# Altium PCB DM3390.PcbDoc (part 5 of 5)
Units mm, origin at the board's own origin, x right, y up, seen from the top; angles counter-clockwise.
Board outline 50.5 x 70 mm, 6 copper layers (Top Copper, Layer 1, Layer 2, Layer 3, Layer 4, Bottom Layer), stack 1.578 mm thick; 186 components, 176 nets, 1100 pads, 824 vias.
Unrouted connection lines stored in the file: 287.
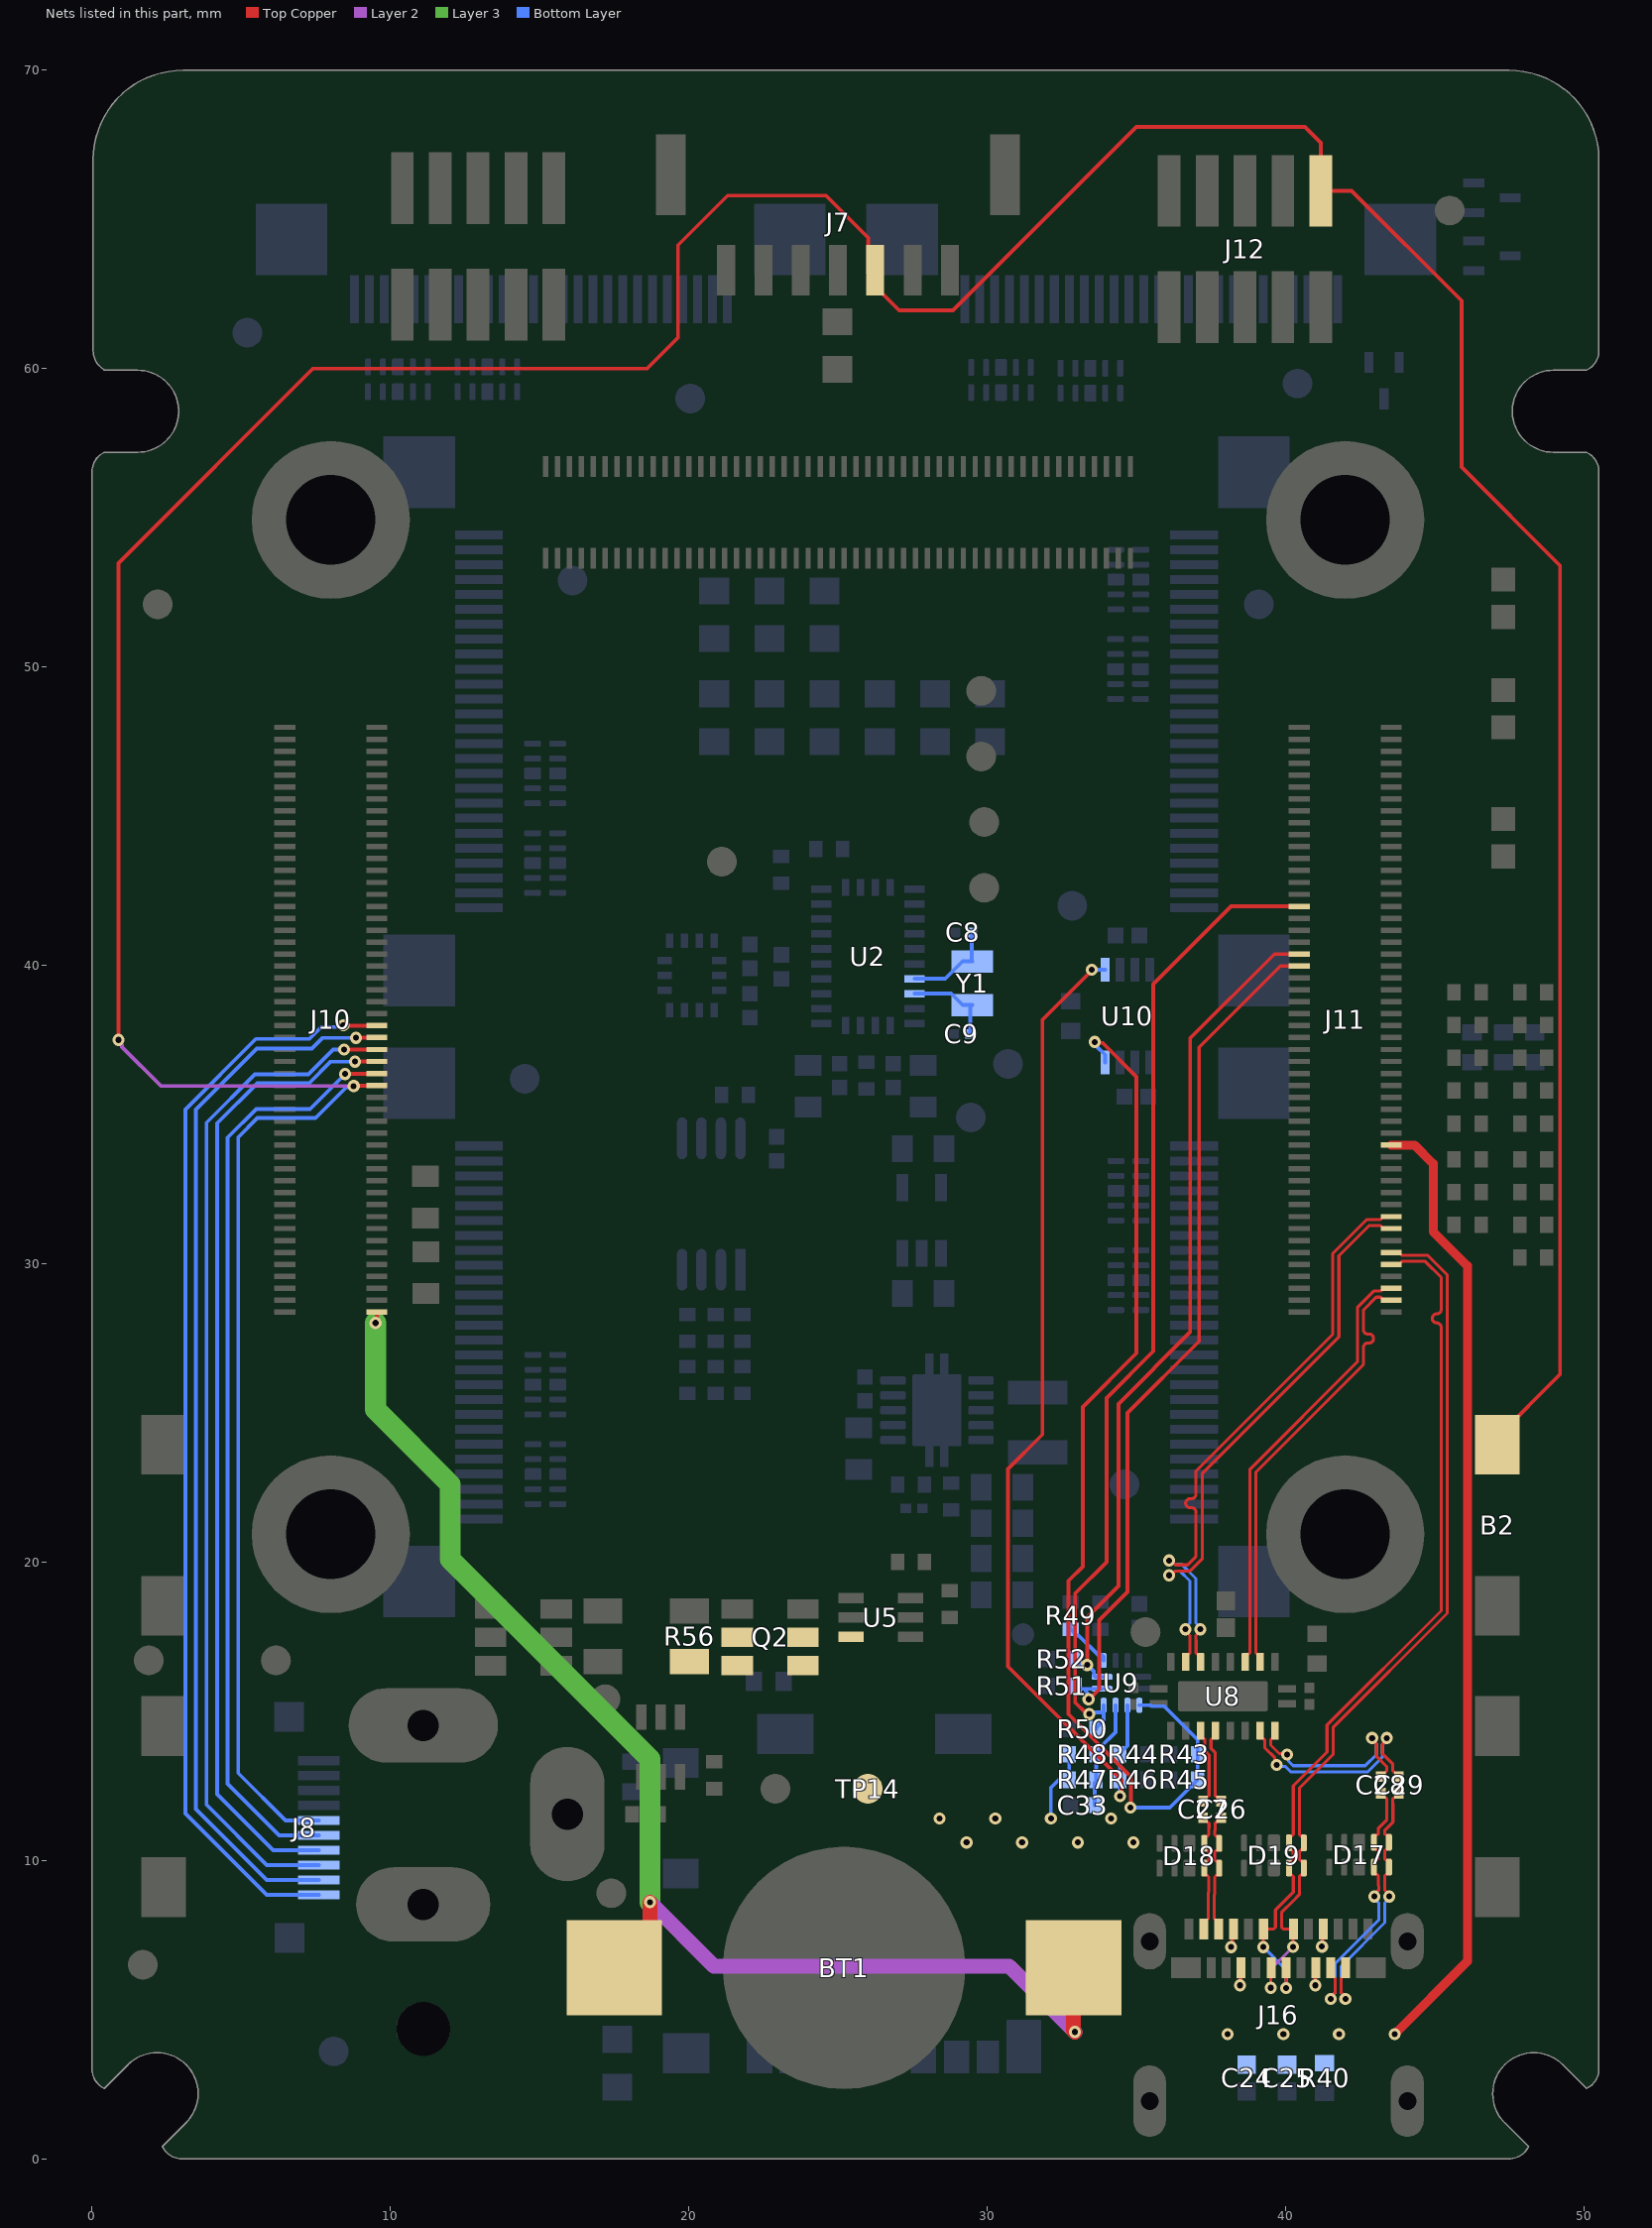
[diagram p9: the nets of this part, all layers, seen from the top]

## Via types
v1: diameter 0.406, hole 0.203, Top Copper to Bottom Layer, tented both sides, 794 vias
v2: diameter 0.406, hole 0.203, Top Copper to Bottom Layer, 30 vias

## Nets (pads, with @x,y where several pads share a name; then routed paths per layer and width w, separated by ;. In a path a pad name is that pad's centre, name@x,y a point inside that pad or via, vN(x,y) a via of type N, cw(c..) or ccw(c..) an arc to the next point about the centre after c; other vN are vias at no path point) (continued)
SYS_nRST: B2.2 J7.3 J8.6 J10.40 J12.1 | length 156.1
  Top Copper w0.127: v1(0.883,37.5) 0.883,53.483 7.4,60 18.6,60 19.638,61.038 19.638,64.138 21.3,65.8 24.6,65.8 26.014,64.387 26.014,63.536 J7.3@26.25,63.3 ; v1(8.767,35.953) 8.779,35.966 9.528,35.966 J10.40@9.54,35.978 ; J7.3@26.25,63.95 J7.3@26.25,63.3 ; B2.2@47.1,23.937 47.1,24.187 49.2,26.287 49.2,53.4 45.9,56.7 45.9,62.275 42.216,65.959 J12.1@41.182,65.959 41.182,67.568 40.65,68.1 35,68.1 28.85,61.95 27.05,61.95 26.25,62.75 J7.3@26.25,63.3
  Layer 2 w0.127: v1(0.883,37.5) 0.883,37.424 1,37.308 1,37.264 2.311,35.953 v1(8.767,35.953)
  Bottom Layer w0.127: J8.6@7.594,11.341 6.48,11.341 4.896,12.925 4.896,34.237 5.541,34.881 7.488,34.881 8.513,35.905 8.719,35.905 v1(8.767,35.953)
TCK: J8.2 J10.48 | length 35.6
  Top Copper w0.127: v1(8.84,37.57) 8.844,37.574 9.536,37.574 J10.48@9.54,37.578
  Bottom Layer w0.127: J8.2@7.594,9.341 5.858,9.341 3.482,11.718 3.482,35.169 5.526,37.212 7.368,37.212 7.726,37.57 v1(8.84,37.57)
TDI: J8.3 J10.46 | length 34.2
  Top Copper w0.127: v1(8.449,37.179) J10.46@9.539,37.178
  Bottom Layer w0.127: J8.3@7.594,9.841 5.858,9.841 3.836,11.864 3.836,34.724 5.458,36.346 7.246,36.346 8.079,37.179 v1(8.449,37.179)
TDO: J8.5 J10.42 | length 31.3
  Top Copper w0.127: v1(8.479,36.357) 8.49,36.367 9.529,36.367 J10.42@9.54,36.378
  Bottom Layer w0.127: J8.5@7.594,10.841 6.273,10.841 4.543,12.571 4.543,34.226 5.502,35.184 7.307,35.184 v1(8.479,36.357)
TMS: J8.1 J10.50 | length 36.8
  Top Copper w0.127: v1(8.418,37.987) 8.428,37.978 J10.50@9.54,37.978
  Bottom Layer w0.127: J8.1@7.594,8.841 5.858,8.841 3.129,11.571 3.129,35.171 5.493,37.535 7.277,37.535 7.676,37.934 8.364,37.934 v1(8.418,37.987)
TRST: J8.4 J10.44 | length 32.9
  Top Copper w0.127: v1(8.814,36.772) 8.817,36.775 9.537,36.775 J10.44@9.54,36.778
  Bottom Layer w0.127: J8.4@7.594,10.341 6.066,10.341 4.189,12.218 4.189,34.708 5.532,36.051 7.274,36.051 7.995,36.772 v1(8.814,36.772)
TXB1_N: C26.2 U8.15 | length 2.6
  Top Copper w0.102: U8.15@37.65,14.35 37.65,14.175 37.576,14.101 37.561,14.101 37.502,14.041 37.502,13.754 37.638,13.617 37.638,12.176 37.698,12.117 37.733,12.117 37.842,12.007 C26.2@37.842,11.987
TXB1_P: C27.2 U8.14 | length 2.6
  Top Copper w0.102: U8.14@37.15,14.35 37.15,14.175 37.224,14.101 37.239,14.101 37.298,14.041 37.298,13.67 37.435,13.533 37.435,12.176 37.376,12.117 37.341,12.117 37.231,12.007 C27.2@37.231,11.987
TXB_N: C26.1 D18.5 D18.6 J16.A3 | length 4.2
  Top Copper w0.102: J16.A3@37.762,7.699 37.762,7.899 37.614,8.048 37.614,8.842 37.627,8.855 37.627,9.444 37.687,9.503 37.726,9.503 37.775,9.552 D18.5@37.775,9.735 37.775,9.917 37.726,9.967 37.687,9.967 37.627,10.026 37.627,10.279 37.687,10.338 37.726,10.338 37.775,10.387 D18.6@37.775,10.57 37.775,10.752 37.726,10.802 37.687,10.802 37.627,10.861 37.627,10.999 37.638,11.011 37.638,11.239 37.698,11.298 37.733,11.298 C26.1@37.842,11.407
TXB_P: C27.1 D18.4 D18.7 J16.A2 | length 4.2
  Top Copper w0.102: C27.1@37.231,11.427 37.231,11.407 37.341,11.298 37.376,11.298 37.435,11.239 37.435,11.095 37.424,11.084 37.424,10.861 37.364,10.802 37.325,10.802 37.275,10.752 D18.7@37.275,10.57 37.275,10.387 37.325,10.338 37.364,10.338 37.424,10.279 37.424,10.026 37.364,9.967 37.325,9.967 37.275,9.917 D18.4@37.275,9.735 37.275,9.552 37.325,9.503 37.364,9.503 37.424,9.444 37.424,8.939 37.411,8.926 37.411,8.048 37.262,7.899 J16.A2@37.262,7.699
TXC1_N: C28.2 U8.19 | length 6.9
  Top Copper w0.102: U8.19@39.65,14.35 39.65,14.175 39.576,14.101 39.561,14.101 39.502,14.041 39.502,13.864 39.783,13.583 40.017,13.583 v1(40.05,13.55) ; v1(42.9,14.1) 42.9,14.034 43.046,13.888 43.046,13.487 43.391,13.142 43.391,12.998 43.332,12.939 43.302,12.939 43.193,12.83 C28.2@43.193,12.81
  Bottom Layer w0.102: v1(40.05,13.55) 40.108,13.492 40.108,13.317 40.252,13.173 42.673,13.173 43.046,13.546 43.046,13.888 42.9,14.034 v1(42.9,14.1)
TXC1_P: C29.2 U8.18 | length 7.5
  Top Copper w0.102: U8.18@39.15,14.35 39.15,14.175 39.224,14.101 39.239,14.101 39.298,14.041 39.298,13.78 39.641,13.437 39.641,13.258 v1(39.7,13.2) ; v1(43.395,14.1) 43.395,14.034 43.249,13.888 43.249,13.572 43.595,13.226 43.595,12.998 43.654,12.939 43.684,12.939 43.793,12.83 C29.2@43.793,12.81
  Bottom Layer w0.102: v1(39.7,13.2) 39.746,13.153 39.985,13.153 40.168,12.97 42.757,12.97 43.249,13.462 43.249,13.888 43.395,14.034 v1(43.395,14.1)
TXC_N: C28.1 D17.4 D17.7 J16.B3 | length 9.2
  Top Copper w0.102: v1(41.512,5.354) 41.512,5.42 41.658,5.566 41.658,5.795 41.661,5.798 41.661,6.051 41.512,6.199 J16.B3@41.512,6.399 ; D17.4@42.967,9.77 42.967,9.588 43.016,9.539 43.055,9.539 43.115,9.479 43.115,9.154 43.122,9.147 43.122,9 42.976,8.854 v1(42.976,8.788) ; D17.4@42.967,9.953 43.016,10.002 43.055,10.002 43.115,10.061 43.115,10.314 43.055,10.374 43.016,10.374 42.967,10.423 D17.7@42.967,10.605 42.967,10.788 43.016,10.837 43.055,10.837 43.115,10.896 43.115,11.084 43.397,11.366 43.397,11.796 43.391,11.802 43.391,12.061 43.332,12.12 43.302,12.12 43.193,12.23 C28.1@43.193,12.25
  Bottom Layer w0.102: v1(41.512,5.354) 41.512,5.42 41.658,5.566 41.658,6.532 43.122,7.996 43.122,8.576 42.976,8.722 v1(42.976,8.788)
TXC_P: C29.1 D17.5 D17.6 J16.B2 | length 9.2
  Top Copper w0.102: v1(42.007,5.354) 42.007,5.42 41.861,5.566 41.861,5.711 41.864,5.714 41.864,6.051 42.012,6.199 J16.B2@42.012,6.399 ; D17.5@43.467,9.77 43.467,9.588 43.417,9.539 43.378,9.539 43.318,9.479 43.318,9.35 43.326,9.342 43.326,9 43.472,8.854 v1(43.472,8.788) ; D17.5@43.467,9.953 43.417,10.002 43.378,10.002 43.318,10.061 43.318,10.314 43.378,10.374 43.417,10.374 43.467,10.423 D17.6@43.467,10.605 43.467,10.788 43.417,10.837 43.378,10.837 43.318,10.896 43.318,11 43.6,11.282 43.6,11.898 43.595,11.903 43.595,12.061 43.654,12.12 43.684,12.12 43.793,12.23 C29.1@43.793,12.25
  Bottom Layer w0.102: v1(42.007,5.354) 42.007,5.42 41.861,5.566 41.861,6.447 43.326,7.912 43.326,8.576 43.472,8.722 v1(43.472,8.788)
USB_CM: R43.1 R45.1 U9.3 U10.8 | length 35.4
  Top Copper w0.127: v1(33.6,37.432) 33.633,37.399 33.87,37.399 35,36.269 35,27 33.2,25.2 33.2,19.849 32.721,19.37 32.721,14.901 34.818,12.804 34.818,11.793 v1(34.797,11.772)
  Bottom Layer w0.127: v1(33.6,37.432) 33.653,37.378 33.653,37.297 33.95,37 U10.8@33.95,36.75 ; v1(34.797,11.772) 36.122,11.772 R45.1@37.05,12.7 R43.1@37.05,13.55 37.05,14.05 35.932,15.168 35.512,15.168 35.48,15.2 U9.3@35.1,15.2
USB_D_N: D19.1 D19.10 J11.12 J16.A7 J16.B7 | length 30.1
  Top Copper w0.102: v1(39.5,5.729) 39.506,5.735 39.506,6.393 J16.B7@39.512,6.399 ; v1(40.248,7.101) 40.255,7.108 40.255,7.692 J16.A7@40.262,7.699 39.923,7.699 39.864,7.759 39.864,8.098 39.864,8.252 40.25,8.638 40.463,8.851 40.463,9.455 40.522,9.515 40.562,9.515 40.611,9.564 D19.10@40.611,9.747 40.611,9.929 40.562,9.978 40.522,9.978 40.463,10.038 40.463,10.29 40.522,10.35 40.562,10.35 40.611,10.399 D19.1@40.611,10.582 40.611,10.764 40.562,10.813 40.522,10.813 40.463,10.873 40.463,12.417 41.593,13.547 41.593,14.456 45.421,18.283 45.421,29.624 44.765,30.279 43.898,30.279 43.8,30.377 J11.12@43.54,30.377
  Layer 2 w0.102: v1(39.5,5.729) 39.5,6.352 v1(40.248,7.101)
USB_D_P: D19.2 D19.9 J11.10 J16.A6 J16.B6 | length 30.1
  Top Copper w0.102: v1(39.258,7.094) 39.26,7.096 39.26,7.697 J16.A6@39.262,7.699 39.601,7.699 39.661,7.759 39.661,8.014 39.661,8.336 40.26,8.935 40.26,9.455 40.2,9.515 40.161,9.515 40.111,9.564 D19.9@40.111,9.747 40.111,9.929 40.161,9.978 40.2,9.978 40.26,10.038 40.26,10.29 40.2,10.35 40.161,10.35 40.111,10.399 D19.2@40.111,10.582 40.111,10.764 40.161,10.813 40.2,10.813 40.26,10.873 40.26,12.501 41.39,13.632 41.39,14.54 45.218,18.368 45.218,27.813 45.218,27.864 ccw(c45.067,27.864) 45.067,28.015 cw(c45.067,28.165) 45.067,28.316 ccw(c45.067,28.467) 45.218,28.467 45.218,28.937 45.218,29.54 44.681,30.076 43.898,30.076 43.8,29.977 J11.10@43.54,29.977 ; J16.B6@40.012,6.399 40.017,6.395 40.017,5.723 v1(40.021,5.719)
  Bottom Layer w0.102: v1(39.258,7.094) 40.021,6.331 v1(40.021,5.719)
USB_ID: R49.1 U9.9 | length 1.7
  Bottom Layer w0.127: R49.1@32.8,17.8 R49.1@32.8,17.75 33.011,17.538 33.062,17.538 33.732,16.868 33.863,16.868 33.9,16.832 U9.9@33.9,16.7
USB_OUT1: J11.59 R51.1 U9.7 | length 29.2
  Top Copper w0.127: v1(33.4,15.4) 33.416,15.4 33.75,15.734 33.75,18.05 34.7,19 34.7,25 37.1,27.4 37.1,37.25 39.827,39.977 J11.59@40.46,39.977
  Bottom Layer w0.127: R51.1@32.95,15.85 33.05,15.75 33.311,15.75 ; v1(33.4,15.4) 33.347,15.453 33.347,15.631 33.309,15.668 33.309,15.749 33.311,15.75 ; U9.7@33.85,15.75 33.311,15.75
USB_OUT2: J11.61 R52.1 U9.8 | length 28.4
  Top Copper w0.127: v1(33.35,16.55) 33.35,18.15 34.4,19.2 34.4,25.3 36.8,27.7 36.8,37.55 39.627,40.377 J11.61@40.46,40.377
  Bottom Layer w0.127: R52.1@32.95,16.75 v1@33.25,16.45 ; v1(33.35,16.55) 33.582,16.318 33.582,16.186 33.618,16.15 U9.8@33.85,16.15
USB_PORT: R44.1 R46.1 U9.4 U10.1 | length 34
  Top Copper w0.127: v1(33.5,39.85) 33.5,39.829 31.85,38.179 31.85,24.274 30.7,23.124 30.7,16.499 34.5,12.699 34.5,12.2 v1(34.45,12.15)
  Bottom Layer w0.127: v1(33.5,39.85) U10.1@33.95,39.85 ; v1(34.45,12.15) R46.1@34.45,12.7 R44.1@34.45,13.55 ; R44.1@34.45,13.6 34.611,13.761 34.626,13.761 34.7,13.836 U9.4@34.7,15.2
USB_RX_N: J11.18 U8.7 | length 20.2
  Top Copper w0.102: v1(36.1,20.05) 36.166,20.05 36.312,19.904 36.717,19.904 37,20.187 37,21.619 37,21.669 ccw(c36.849,21.669) 36.849,21.82 36.802,21.82 cw(c36.802,21.971) 36.802,22.122 36.849,22.122 ccw(c36.849,22.273) 37,22.273 37,22.762 37,23.05 41.586,27.636 41.586,30.349 42.716,31.479 43.181,31.479 43.28,31.577 J11.18@43.54,31.577 ; v1(37.143,17.746) 37.143,17.68 36.997,17.534 36.997,17.389 37.002,17.385 37.002,16.959 37.061,16.899 37.076,16.899 37.15,16.825 U8.7@37.15,16.65
  Bottom Layer w0.102: v1(36.1,20.05) 36.166,20.05 36.312,19.904 36.54,19.904 36.997,19.447 36.997,17.958 37.143,17.812 v1(37.143,17.746)
USB_RX_P: J11.16 U8.8 | length 19.4
  Top Copper w0.102: v1(36.1,19.555) 36.166,19.555 36.312,19.701 36.801,19.701 37.203,20.103 37.203,22.966 41.789,27.551 41.789,30.265 42.8,31.276 43.181,31.276 43.28,31.177 J11.16@43.54,31.177 ; v1(36.648,17.746) 36.648,17.68 36.794,17.534 36.794,17.107 36.798,17.102 36.798,16.959 36.739,16.899 36.724,16.899 36.65,16.825 U8.8@36.65,16.65
  Bottom Layer w0.102: v1(36.1,19.555) 36.166,19.555 36.312,19.701 36.456,19.701 36.794,19.362 36.794,17.958 36.648,17.812 v1(36.648,17.746)
USB_TX_N: J11.4 U8.3 | length 14.9
  Top Copper w0.102: U8.3@39.15,16.65 39.15,16.825 39.076,16.899 39.061,16.899 39.002,16.959 39.002,23.014 42.609,26.621 42.609,26.837 42.609,27.189 cw(c42.759,27.189) 42.759,27.34 42.8,27.34 ccw(c42.8,27.491) 42.8,27.641 42.759,27.641 cw(c42.759,27.792) 42.609,27.792 42.609,28.194 42.609,28.447 43.037,28.876 43.181,28.876 43.28,28.777 J11.4@43.54,28.777
USB_TX_P: J11.6 U8.4 | length 14.8
  Top Copper w0.102: U8.4@38.65,16.65 38.65,16.825 38.724,16.899 38.739,16.899 38.798,16.959 38.798,23.098 42.405,26.705 42.405,28.531 42.953,29.079 43.181,29.079 43.28,29.177 J11.6@43.54,29.177
VBAT: BT1.1 BT1.3 J10.2 | length 44.5
  Top Copper w0.127: v1(9.5,28.014) 9.54,28.054 J10.2@9.54,28.378
  Top Copper w0.5: BT1.1@17.505,6.4 18.7,7.595 v1(18.7,8.6) ; BT1.3@32.895,6.4 32.895,4.294 v1(32.941,4.248)
  Layer 2 w0.5: v1(18.7,8.6) 20.845,6.455 30.734,6.455 v1(32.941,4.248)
  Layer 3 w0.7: v1(9.5,28.014) 9.5,25.107 12,22.607 12,20.1 18.7,13.4 v1(18.7,8.6)
VBUS: C24.2 C25.2 J11.30 J16.A4 J16.A9 J16.B4 J16.B9 Q2.1 Q2.2 Q2.5 Q2.6 R40.2 R47.1 R48.1 R56.1 TP14.1 U5.6 | length 37.2
  Top Copper w0.127: v1(38.174,7.094) 38.218,7.138 38.218,7.655 J16.A4@38.262,7.699 ; v1(38.471,5.811) 38.492,5.832 38.492,6.379 J16.B9@38.512,6.399 ; v1(40.995,5.813) 41.004,5.821 41.004,6.154 J16.B4@40.995,6.162 ; v1(41.221,7.111) 41.242,7.132 41.242,7.679 J16.A9@41.262,7.699
  Top Copper w0.3: J11.30@43.54,33.977 44.323,33.977 44.95,33.35 44.95,31.077 46.098,29.929 46.098,6.617 v1(43.654,4.173)
  Bottom Layer w0.127: v1(32.136,11.4) 32.136,12.436 32.4,12.7 R47.1@32.75,12.7 R48.1@32.75,13.55
  other v1: 38.061,4.173 39.926,4.173 41.79,4.173 29.307,10.6 31.171,10.6 33.036,10.6 34.9,10.6 28.407,11.4 30.271,11.4 34.15,11.4
VBUS_DET: C33.2 R47.2 R48.2 U9.5 | length 3.5
  Bottom Layer w0.127: C33.2@33.6,11.85 R47.2@33.6,12.6 ; R47.2@33.65,12.7 33.65,13.494 R48.2@33.65,13.55 33.812,13.711 33.812,13.812 34.3,14.3 U9.5@34.3,15.2
VCONN_Fn: J11.69 R50.1 U9.6 | length 33.2
  Top Copper w0.127: v1(33.417,14.905) 33.341,14.905 32.95,15.296 32.95,18.95 34,20 34,25.499 35.567,27.065 35.567,39.367 38.177,41.977 J11.69@40.46,41.977
  Bottom Layer w0.127: v1(33.417,14.905) 33.47,14.958 U9.6@33.9,14.958 ; R50.1@33.65,14.4 33.65,14.45 33.9,14.7 U9.6@33.9,14.958 ; U9.6@33.9,15.2 U9.6@33.9,14.958
XIN: C9.2 U2.27 Y1.1 | length 3.1
  Bottom Layer w0.127: U2.27@27.562,39.05 28.795,39.05 29.175,38.67 Y1.1@29.5,38.67 29.43,38.6 C9.2@29.43,37.7
XOUT: C8.2 U2.26 Y1.2 | length 3.2
  Bottom Layer w0.127: U2.26@27.562,39.55 28.595,39.55 29.175,40.13 Y1.2@29.5,40.13 29.48,40.15 C8.2@29.48,41.1
pads on no net: FID1.1 FID2.1 FID3.1 FID4.1 FID5.1 FID6.1 J1.11 J1.12 J1.13 J1.14 J1.15 J2.11 J2.12 J2.13 J2.14 J2.15 J3.11 J3.12 J3.13 J3.14 J3.15 J4.11 J4.12 J4.13 J4.14 J4.15 J5.11 J5.12 J5.13 J5.14 J5.15 J6.11 J6.12 J6.13 J6.14 J6.15 J8.11 J8.12 J10.1 J10.28 J10.30 J10.32 J10.34 J10.71 J10.73 J10.76 J10.77 J10.78 J10.79 J10.80 J10.82 J10.83 J10.84 J10.85 J10.86 J10.88 J10.89 J10.90 J10.91 J10.92 J10.94 J10.95 J10.97 J11.3 J11.5 J11.9 J11.11 J11.15 J11.17 J11.21 J11.22 J11.23 J11.24 J11.27 J11.28 J11.29 J11.33 J11.34 J11.35 J11.45 J11.47 J11.49 J11.51 J11.53 J11.55 J11.71 J11.73 J11.75 J11.78 J11.79 J11.80 J11.81 J11.83 J11.85 J11.89 J11.91 J13.3 J13.4 J13.5 J13.6 J13.7 J13.8 J13.9 J13.10 J13.11 J13.12 J13.13 J13.14 J13.15 J13.16 J13.17 J13.18 J13.19 J13.21 J13.23 J13.27 J13.29 J13.33 J13.35 J13.39 J13.41 J13.45 J13.47 J13.51 J13.53 J13.54 J13.57 J13.59 J13.74 J15. J16.A8 J16.B8 U2.1 U2.7 U2.8 U2.12 U2.13 U2.21 U2.22 U2.23 U2.24 U3.2 U3.3 U3.10 U3.11 U4.1 U4.5 U5.1 U5.5 U6.8 U7.4

## Polygon pours and split planes (outlines as drawn)
GND on Top Copper "GND_L01_P024" (solid, remove dead copper, pour order 24): 0,2.999 ccw(c0.711,2.999) 0.41,2.355 0.408,2.356 1.205,3.154 cw(c2.178,2.181) 3.15,1.209 2.353,0.412 2.354,0.41 ccw(c2.998,0.71) 2.998,0 47.501,0 ccw(c47.501,0.711) 48.145,0.41 48.144,0.408 47.346,1.205 cw(c48.319,2.178) 49.291,3.15 50.088,2.353 50.09,2.354 ccw(c49.79,2.998) 50.5,2.998 50.5,56.552 ccw(c49.79,56.552) 50.09,57.195 50.102,57.197 48.974,57.197 cw(c48.974,58.572) 48.974,59.947 50.102,59.947 50.09,59.948 ccw(c49.79,60.592) 50.5,60.592 50.5,67.019 ccw(c47.503,67.003) 47.487,70 3.05,70 ccw(c3.034,67.003) 0.037,67.019 0.037,60.592 ccw(c0.747,60.592) 0.447,59.948 0.398,59.947 1.526,59.947 cw(c1.526,58.572) 1.526,57.197 0.398,57.197 0.41,57.195 ccw(c0.71,56.552) 0,56.552
5V on Top Copper "5V_L01_P004" (solid, pour order 4): 17.851,19.895 17.851,20.497 18.97,21.616 18.97,24.712 14.713,28.969 6.305,28.969 5.532,29.742 5.532,33.145 16.688,33.145 23.129,26.704 23.129,19.851
VBUS on Top Copper "VBUS_L01" (solid, pour order 8): 19.9,17.9 28.2,17.9 35.2,10.9 35.2,9.8 28.6,9.8 26.1,12.3 22.75,12.3 19.3,15.75 19.3,17.3
NetJ15_1 on Top Copper "JACK5V_L01" (solid, pour order 12): 16.3,17 17.1,17.8 18,17.8 18,19.1 9.6,19.1 7.4,16.9 7.4,13.1 8.4,12.1 11.8,12.1 12.9,13.2 12.9,17
5V on Top Copper "5V_L01_P000" (solid, pour order 0): 19.277,15.616 19.277,17.074 19.992,17.79 23.129,17.79 23.129,20.422 17.843,20.422 17.843,18.493 16.437,17.087 14.763,17.087 14.763,15.616 19.275,15.616
3V3 on Layer 3 "3V3_L04_P027" (solid, pour order 27): 34.1,18.8 34.9,18 34.9,17.2 34.3,16.6 34.3,15.9 34.6,15.6 41.3,15.6 41.5,15.8 41.5,18.1 39.1,20.5 36.6,23 33.5,23 32.8,23.7 32.8,26.2 28.8,30.2 28.8,36.8 28.4,37.2 27.9,37.2 25.3,34.6 23,34.6 22.4,35.2 22.4,43.9 23.1,44.6 26.9,44.6 29.9,41.6 36.2,41.6 36.7,42.1 36.7,42.9 35.9,43.7 33.8,43.7 30.8,46.7 30.8,51.7 32.6,53.5 35.4,53.5 42.4,60.5 42.4,61.1 41.9,61.6 41.3,61.6 34.765,55.043 31.539,55.043 31.539,54.384 21.914,54.384 20.898,55.4 19.761,55.4 18.661,54.3 15,54.3 14.6,54.7 14.5,54.6 13.3,54.6 10.8,52.1 10.8,35.7 27.7,18.8 33.4,18.8
GND on Layer 3 "GND_L04_P032" (solid, remove dead copper, pour order 32): 0,2.999 ccw(c0.711,2.999) 0.41,2.355 0.408,2.356 1.205,3.154 cw(c2.178,2.181) 3.15,1.209 2.353,0.412 2.354,0.41 ccw(c2.998,0.71) 2.998,0 47.501,0 ccw(c47.501,0.711) 48.145,0.41 48.144,0.408 47.346,1.205 cw(c48.319,2.178) 49.291,3.15 50.088,2.353 50.09,2.354 ccw(c49.79,2.998) 50.5,2.998 50.5,56.552 ccw(c49.79,56.552) 50.09,57.195 50.102,57.197 48.974,57.197 cw(c48.974,58.572) 48.974,59.947 50.102,59.947 50.09,59.948 ccw(c49.79,60.592) 50.5,60.592 50.5,67.019 ccw(c47.503,67.003) 47.487,70 3.05,70 ccw(c3.034,67.003) 0.037,67.019 0.037,60.592 ccw(c0.747,60.592) 0.447,59.948 0.398,59.947 1.526,59.947 cw(c1.526,58.572) 1.526,57.197 0.398,57.197 0.41,57.195 ccw(c0.71,56.552) 0,56.552
1V8 on Layer 3 "1V8_L04_P031" (solid, pour order 31): 22.9,44.4 22.4,43.9 22.4,35 22.8,34.6 25.3,34.6 27.9,37.2 28.5,37.2 28.8,36.9 28.8,30.3 32.8,26.3 32.8,23.7 33.5,23 37,23 46.9,32.9 46.9,40.6 46.3,41.2 45,41.2 44.5,40.7 44.5,35.4 36.2,27.1 34,27.1 30.4,30.7 30.4,36.7 33.7,40 33.7,41.6 29.9,41.6 27.1,44.4
5V on Layer 3 "5V_L04_P030" (solid, pour order 30): 21.5,19.4 26.3,19.4 27.4,18.3 34.5,18.3 34.6,18.2 34.6,17 34.3,16.7 34.3,15.8 34.6,15.5 41.2,15.5 47,21.3 47,36.9 48.7,36.9 48.7,19.6 43,13.9 33.5,13.9 31.8,15.6 21.2,15.6
VBUS on Layer 3 "VBUS_L04" (solid, pour order 7): 27.8,11.9 27.8,8.3 33.3,2.8 42.9,2.8 44,3.9 44,6.2 38.3,11.9 33.9,11.9
5V on Layer 3 "5V_L04_P006" (solid, pour order 6): 17.941,15.591 17.941,17.459 5.528,29.872 5.528,33.109 5.535,33.115 12.985,33.115 22.394,23.706 22.394,15.702 22.489,15.606
GND on Layer 3 "GND_L04_P002" (solid, pour order 2): 38.549,7.483 39.011,7.945 40.327,7.945 40.845,7.427 40.845,5.535 40.285,4.975 39.339,4.975 38.549,5.766
GND on Bottom Layer "GND_L06_P025" (solid, remove dead copper, pour order 25): 0,2.999 ccw(c0.711,2.999) 0.41,2.355 0.408,2.356 1.205,3.154 cw(c2.178,2.181) 3.15,1.209 2.353,0.412 2.354,0.41 ccw(c2.998,0.71) 2.998,0 47.501,0 ccw(c47.501,0.711) 48.145,0.41 48.144,0.408 47.346,1.205 cw(c48.319,2.178) 49.291,3.15 50.088,2.353 50.09,2.354 ccw(c49.79,2.998) 50.5,2.998 50.5,56.552 ccw(c49.79,56.552) 50.09,57.195 50.102,57.197 48.974,57.197 cw(c48.974,58.572) 48.974,59.947 50.102,59.947 50.09,59.948 ccw(c49.79,60.592) 50.5,60.592 50.5,67.019 ccw(c47.503,67.003) 47.487,70 3.05,70 ccw(c3.034,67.003) 0.037,67.019 0.037,60.592 ccw(c0.747,60.592) 0.447,59.948 0.398,59.947 1.526,59.947 cw(c1.526,58.572) 1.526,57.197 0.398,57.197 0.41,57.195 ccw(c0.71,56.552) 0,56.552
VBUS on Bottom Layer "VBUS_L06_P017" (solid, pour order 17): 42.2,3.15 42.2,4.05 41.85,4.4 38.05,4.4 37.7,4.05 37.7,3.15
5V on Bottom Layer "5V_L06" (solid, pour order 16): 21.1,19.2 26.086,24.186 27.223,24.186 27.223,25.377 26.7,25.9 23.1,25.9 17.3,20.1 17.3,15.6 21.1,15.6
3V3 on Bottom Layer "3V3_L06" (solid, pour order 14): 32.9,23.8 32.9,19.7 31.6,18.4 31,18.4 31,23.8
LX1 on Bottom Layer "LX1_L06" (solid, pour order 13): 29.577,25.5 29.777,25.3 32.577,25.3 32.677,25.4 32.677,26.1 32.377,26.4 29.577,26.4
GND on Layer 4 "GND_L05_P026" (solid, remove dead copper, pour order 26): 0,2.999 ccw(c0.711,2.999) 0.41,2.355 0.408,2.356 1.205,3.154 cw(c2.178,2.181) 3.15,1.209 2.353,0.412 2.354,0.41 ccw(c2.998,0.71) 2.998,0 47.501,0 ccw(c47.501,0.711) 48.145,0.41 48.144,0.408 47.346,1.205 cw(c48.319,2.178) 49.291,3.15 50.088,2.353 50.09,2.354 ccw(c49.79,2.998) 50.5,2.998 50.5,56.552 ccw(c49.79,56.552) 50.09,57.195 50.102,57.197 48.974,57.197 cw(c48.974,58.572) 48.974,59.947 50.102,59.947 50.09,59.948 ccw(c49.79,60.592) 50.5,60.592 50.5,67.019 ccw(c47.503,67.003) 47.487,70 3.05,70 ccw(c3.034,67.003) 0.037,67.019 0.037,60.592 ccw(c0.747,60.592) 0.447,59.948 0.398,59.947 1.526,59.947 cw(c1.526,58.572) 1.526,57.197 0.398,57.197 0.41,57.195 ccw(c0.71,56.552) 0,56.552
GND on Layer 1 "GND_L02_P029" (solid, remove dead copper, pour order 29): 0,2.999 ccw(c0.711,2.999) 0.41,2.355 0.408,2.356 1.205,3.154 cw(c2.178,2.181) 3.15,1.209 2.353,0.412 2.354,0.41 ccw(c2.998,0.71) 2.998,0 47.501,0 ccw(c47.501,0.711) 48.145,0.41 48.144,0.408 47.346,1.205 cw(c48.319,2.178) 49.291,3.15 50.088,2.353 50.09,2.354 ccw(c49.79,2.998) 50.5,2.998 50.5,56.552 ccw(c49.79,56.552) 50.09,57.195 50.102,57.197 48.974,57.197 cw(c48.974,58.572) 48.974,59.947 50.102,59.947 50.09,59.948 ccw(c49.79,60.592) 50.5,60.592 50.5,67.019 ccw(c47.503,67.003) 47.487,70 3.05,70 ccw(c3.034,67.003) 0.037,67.019 0.037,60.592 ccw(c0.747,60.592) 0.447,59.948 0.398,59.947 1.526,59.947 cw(c1.526,58.572) 1.526,57.197 0.398,57.197 0.41,57.195 ccw(c0.71,56.552) 0,56.552
GND on Layer 2 "GND_L03_P028" (solid, remove dead copper, pour order 28): 0,2.999 ccw(c0.711,2.999) 0.41,2.355 0.408,2.356 1.205,3.154 cw(c2.178,2.181) 3.15,1.209 2.353,0.412 2.354,0.41 ccw(c2.998,0.71) 2.998,0 47.501,0 ccw(c47.501,0.711) 48.145,0.41 48.144,0.408 47.346,1.205 cw(c48.319,2.178) 49.291,3.15 50.088,2.353 50.09,2.354 ccw(c49.79,2.998) 50.5,2.998 50.5,56.552 ccw(c49.79,56.552) 50.09,57.195 50.102,57.197 48.974,57.197 cw(c48.974,58.572) 48.974,59.947 50.102,59.947 50.09,59.948 ccw(c49.79,60.592) 50.5,60.592 50.5,67.019 ccw(c47.503,67.003) 47.487,70 3.05,70 ccw(c3.034,67.003) 0.037,67.019 0.037,60.592 ccw(c0.747,60.592) 0.447,59.948 0.398,59.947 1.526,59.947 cw(c1.526,58.572) 1.526,57.197 0.398,57.197 0.41,57.195 ccw(c0.71,56.552) 0,56.552

## Silkscreen, mask and mechanical layers (free items; w line width, h text height)
Top Overlay:
  drawing of 20 lines, arcs and shapes, not listed
  text "SIO0" at 10.11,69.5 h1 r270
  text "SIO1" at 11.36,69.5 h1 r270
  text "SIO2" at 12.61,69.5 h1 r270
  text "SIO3" at 13.861,69.5 h1 r270
  text "GND" at 15.11,69.5 h1 r270
  text "PSRBS" at 27.8,69.5 h2 r180
  text "GND" at 35.81,69.5 h1 r270
  text "B-SL" at 37.085,69.5 h1 r270
  text "PG" at 38.36,69.5 h1 r270
  text "FS-A" at 39.635,69.5 h1 r270
  text "RST" at 40.91,69.5 h1 r270
  text "QSPI" at 7.45,66.023 h1.5 r270
  text "AUX" at 42.512,65.68 h1.5 r270
  text "GND" at 20.884,61.8 h1 r270
  text "FS-ST" at 22.147,61.8 h1 r270
  text "FS-A" at 23.41,61.8 h1 r270
  text "BOOT" at 25.61,61.8 h1 r270
  text "RST" at 26.577,61.8 h1 r270
  text "S-SA" at 27.544,61.8 h1 r270
  text "5V" at 28.51,61.8 h1 r270
  text "GND" at 35.71,60.6 h1 r270
  text "U-TX" at 37.016,60.6 h1 r270
  text "U-RX" at 38.31,60.6 h1 r270
  text "SDA" at 39.605,60.6 h1 r270
  text "SCL" at 40.91,60.6 h1 r270
  text "SCK" at 10.01,60.5 h1 r270
  text "GND" at 11.335,60.5 h1 r270
  text "SS0" at 12.66,60.5 h1 r270
  text "SS3" at 13.986,60.5 h1 r270
  text "GND" at 15.31,60.5 h1 r270
  text "LED2" at 48.5,54.5 h1.5 r270
  text "BOOT-SEL" at 1.616,50.9 h1.5 r270
  text "LED1" at 48.4,50 h1.5 r270
  text "IMU-RST" at 23.3,48.916 h1.5
  text "IMU-WAKE" at 30.8,46.516 h1.5
  text "PG" at 48.4,45.2 h1.5 r270
  text "IMU-INT" at 23.3,44.516 h1.5
  text "IMU-BOOTN" at 30.8,42.216 h1.5
  text ".project_title  .rev" at 28.8,40.7 h2 r270
  text "RST BTN" at 2,31.9 h1.5 r270
  text "SYS-RST BTN" at 49.069,25.844 h1.5 r270
  text "5V" at 18,17.9 h1.5 r270
  text "DIR" at 31.3,17.3 h1.5
  text "5V" at 6.9,16.3 h1.5
  text "GND" at 2.6,16.2 h1.5
  text "VBUS" at 26.87,15.989 h1.5 r270
  text "BOOT BTN" at 4.189,15.419 h1.5 r270
  text "GND" at 23.617,15.091 h1.5 r270
  text "PWR BTN" at 49.104,14.953 h1.5 r270
  text "GND" at 18.106,11.134 h1.5 r270
  text "Coin" at 20.4,1.316 h1.5
  text "1025" at 27.5,1.316 h1.5
Bottom Overlay:
  drawing of 17 lines, arcs and shapes, not listed
  text "CAMERA-E" at 9.8,69 h1.5 r180
  text "CAMERA-F" at 29.6,69 h1.5 r180
  text "S-F" at 42.2,61.2 h1.5 r90
  text "CAM-E" at 15.2,60.9 h1.5 r180
  text "CAM-F" at 35.533,60.9 h1.5 r180
  text "S-E" at 21.7,60.7 h1.5 r90
  text "S-A" at 16.2,56.5 h1.5 r90
  text "FS-A/D" at 21.062,56.346 h1 r90
  text "FSI-E/F" at 22.962,56.346 h1 r90
  text "FS-ALL" at 24.832,56.346 h1 r90
  text "CAM-A" at 15.218,53.1 h1.5 r90
  text "SHUTTER SYNC" at 19.7,52.9 h1.5 r90
  text "CAMERA-A" at 7.5,52.5 h1.5 r90
  text "STEREO-CAMB" at 43.5,52.2 h1.5 r90
  text "CAM-SB" at 35.4,48.1 h1.5 r90
  text "FS-SA" at 21.2,46.748 h1 r90
  text "FS-A" at 23.1,46.748 h1 r90
  text "FS-D" at 25,46.748 h1 r90
  text "FS-E" at 26.762,46.748 h1 r90
  text "FS-F" at 28.584,46.748 h1 r90
  text "FS-STB" at 30.562,46.748 h1 r90
  text "S-SB" at 33.4,45.9 h1.5 r90
  text "GND" at 31.678,40.291 h1.5 r90
  text "S-SA" at 16.2,37.6 h1.5 r90
  text "STEREO-CAMA" at 7.5,33.9 h1.5 r90
  text "1V8" at 30.3,33.9 h1.5 r90
  text "CAMERA-D" at 43.5,33.9 h1.5 r90
  text "CAM-SA" at 15.218,33.571 h1.5 r90
  text "CAM-D" at 35.4,27.8 h1.5 r90
  text ".project_title  .rev" at 23.5,25.4 h2 r90
  text "S-D" at 34.9,22 h1.5 r90
  text "JTAG" at 3.5,9.3 h1.5 r270
Top Mask:
  region: 50.477,57.201 48.977,57.201 cw(c48.977,58.576) 47.602,58.576 cw(c48.977,58.576) 48.977,59.951 50.477,59.951 50.477,61.576 48.974,61.576 ccw(c48.974,58.579) 45.977,58.579 45.977,58.573 ccw(c48.974,58.573) 48.974,55.576 50.477,55.576
  region: 50.356,2.124 49.295,3.185 ccw(c48.323,2.213) 47.351,3.185 ccw(c48.323,2.213) 47.351,1.24 48.411,0.18 47.262,-0.969 46.2,0.093 cw(c48.319,2.213) 46.2,4.332 46.204,4.336 cw(c48.323,2.216) 50.442,4.336 51.505,3.273
  region: 0.023,57.201 1.523,57.201 ccw(c1.523,58.576) 2.898,58.576 ccw(c1.523,58.576) 1.523,59.951 0.023,59.951 0.023,61.576 1.526,61.576 cw(c1.526,58.579) 4.523,58.579 4.523,58.573 cw(c1.526,58.573) 1.526,55.576 0.023,55.576
  region: 2.094,0.152 3.155,1.213 ccw(c2.182,2.185) 3.155,3.157 ccw(c2.182,2.185) 1.21,3.157 0.149,2.097 -1,3.246 0.063,4.308 cw(c2.182,2.189) 4.302,4.308 4.306,4.304 cw(c2.186,2.185) 4.306,0.066 3.243,-0.997
Bottom Solder:
  region: 50.477,57.201 48.977,57.201 cw(c48.977,58.576) 47.602,58.576 cw(c48.977,58.576) 48.977,59.951 50.477,59.951 50.477,61.576 48.974,61.576 ccw(c48.974,58.579) 45.977,58.579 45.977,58.573 ccw(c48.974,58.573) 48.974,55.576 50.477,55.576
  region: 50.356,2.124 49.295,3.185 ccw(c48.323,2.213) 47.351,3.185 ccw(c48.323,2.213) 47.351,1.24 48.411,0.18 47.262,-0.969 46.2,0.093 cw(c48.319,2.213) 46.2,4.332 46.204,4.336 cw(c48.323,2.216) 50.442,4.336 51.505,3.273
  region: 0.023,57.201 1.523,57.201 ccw(c1.523,58.576) 2.898,58.576 ccw(c1.523,58.576) 1.523,59.951 0.023,59.951 0.023,61.576 1.526,61.576 cw(c1.526,58.579) 4.523,58.579 4.523,58.573 cw(c1.526,58.573) 1.526,55.576 0.023,55.576
  region: 2.094,0.152 3.155,1.213 ccw(c2.182,2.185) 3.155,3.157 ccw(c2.182,2.185) 1.21,3.157 0.149,2.097 -1,3.246 0.063,4.308 cw(c2.182,2.189) 4.302,4.308 4.306,4.304 cw(c2.186,2.185) 4.306,0.066 3.243,-0.997
Board:
  lines w0.1: 0.037,67.019 cw(c3.034,67.003) 3.05,70 47.487,70 cw(c47.503,67.003) 50.5,67.019 50.5,60.592 cw(c49.79,60.592) 50.09,59.948 ; 0.037,67.019 0.037,60.592 ccw(c0.747,60.592) 0.447,59.948 ; 0.398,57.197 1.526,57.197 ccw(c1.526,58.572) 1.526,59.947 0.398,59.947 ; 0.408,2.356 1.205,3.154 cw(c2.178,2.181) 3.15,1.209 2.353,0.412 ; 0.41,57.195 ccw(c0.71,56.552) 0,56.552 0,2.999 ccw(c0.711,2.999) 0.41,2.355 ; 2.354,0.41 ccw(c2.998,0.71) 2.998,0 47.501,0 ccw(c47.501,0.711) 48.145,0.41 ; 48.144,0.408 47.346,1.205 cw(c48.319,2.178) 49.291,3.15 50.088,2.353 ; 50.09,2.354 ccw(c49.79,2.998) 50.5,2.998 50.5,56.552 ccw(c49.79,56.552) 50.09,57.195 ; 50.102,57.197 48.974,57.197 cw(c48.974,58.572) 48.974,59.947 50.102,59.947
Fab Notes:
  drawing of 264 lines, arcs and shapes, not listed
  text "Layer" at 15.692,-8.678 h1
  text "Name" at 19.875,-8.678 h1
  text "Material" at 29.027,-8.678 h1
  text "Thickness" at 36.294,-8.678 h1
  text "Constant" at 42.264,-8.678 h1
  text "Board Layer Stack" at 47.79,-8.678 h1
  text "Top Overlay" at 19.875,-10.678 h1
  text "Top Mask" at 19.875,-12.678 h1
  text "Solder Resist" at 29.027,-12.678 h1
  text "0,71mil" at 36.294,-12.678 h1
  text "4.2" at 42.264,-12.678 h1
  text "1" at 15.692,-14.678 h1
  text "Top Copper" at 19.875,-14.678 h1
  text "1,40mil" at 36.294,-14.678 h1
  text "Dielectric 3 (1080)" at 19.875,-16.678 h1
  text "PP-006" at 29.027,-16.678 h1
  text "2,80mil" at 36.293,-16.678 h1
  text "3.8" at 42.264,-16.678 h1
  text "2" at 15.691,-18.678 h1
  text "Layer 1" at 19.875,-18.678 h1
  text "CF-004" at 29.027,-18.678 h1
  text "1,38mil" at 36.294,-18.678 h1
  text "Dielectric 1 (2116)" at 19.875,-20.678 h1
  text "PP-016" at 29.027,-20.678 h1
  text "4,60mil" at 36.294,-20.678 h1
  text "4.1" at 42.264,-20.678 h1
  text "3" at 15.692,-22.678 h1
  text "Layer 2" at 19.875,-22.678 h1
  text "CF-004" at 29.027,-22.678 h1
  text "1,38mil" at 36.294,-22.678 h1
  text "Core" at 19.875,-24.678 h1
  text "q" at 29.027,-24.678 h1
  text "39,00mil" at 36.294,-24.678 h1
  text "4.6" at 42.264,-24.678 h1
  text "4" at 15.692,-26.678 h1
  text "Layer 3" at 19.875,-26.678 h1
  text "CF-004" at 29.027,-26.678 h1
  text "1,38mil" at 36.294,-26.678 h1
  text "Dielectric 2 (2116)" at 19.875,-28.678 h1
  text "PP-016" at 29.027,-28.678 h1
  text "4,60mil" at 36.294,-28.678 h1
  text "4.1" at 42.264,-28.678 h1
  text "5" at 15.692,-30.678 h1
  text "Layer 4" at 19.875,-30.678 h1
  text "CF-004" at 29.027,-30.678 h1
  text "1,38mil" at 36.294,-30.678 h1
  text "Dielectric 4 (1080)" at 19.875,-32.678 h1
  text "PP-006" at 29.027,-32.678 h1
  text "2,80mil" at 36.293,-32.678 h1
  text "3.8" at 42.264,-32.678 h1
  text "6" at 15.692,-34.678 h1
  text "Bottom Layer" at 19.875,-34.678 h1
  text "1,40mil" at 36.294,-34.678 h1
  text "Bottom Solder" at 19.875,-36.678 h1
  text "Solder Resist" at 29.027,-36.678 h1
  text "0,71mil" at 36.294,-36.678 h1
  text "4.2" at 42.264,-36.678 h1
  text "Bottom Overlay" at 19.875,-38.678 h1
  text "Total board thickness:" at 15.692,-40.678 h1
  text "63,53mil" at 36.294,-40.678 h1
Top Courtyard:
  lines w0.1: -29.515,125.07 -28.457,124.011 ; -25.278,129.285 -24.131,128.139 ; -0.254,3.974 cw(c1.718,2.001) 1.718,4.791 cw(c1.718,1.725) 3.886,3.893 ; 0.974,55.76 ccw(c0.974,58.826) 3.142,56.658 ccw(c1.11,58.691) 3.984,58.691 ; 1.114,61.738 cw(c1.114,58.948) 3.086,60.921 cw(c0.918,58.753) 3.984,58.753 ; 3.874,-0.352 ccw(c1.706,1.816) 4.772,1.816 ccw(c1.897,1.816) 3.93,3.849 ; 46.516,58.691 ccw(c49.39,58.691) 47.358,56.658 ccw(c49.526,58.826) 49.526,55.76 ; 46.516,58.753 cw(c49.582,58.753) 47.414,60.921 cw(c49.386,58.948) 49.386,61.738 ; 46.587,-0.198 cw(c48.559,1.774) 45.77,1.774 cw(c48.836,1.774) 46.668,3.942 ; 46.711,3.986 cw(c48.744,1.953) 48.744,4.828 cw(c48.744,1.761) 50.912,3.929
Bottom Courtyard:
  lines w0.1: -1.017,3.203 0.041,4.261 cw(c2.209,2.093) 2.209,5.159 cw(c2.209,2.285) 4.242,4.317 ; -0.004,61.571 1.617,61.571 cw(c1.617,58.782) 3.589,60.754 cw(c1.421,58.586) 4.487,58.586 ; 0.03,55.576 1.526,55.576 ; 1.477,55.594 ccw(c1.477,58.66) 3.645,56.492 ccw(c1.613,58.525) 4.487,58.525 ; 3.22,-1.013 4.367,0.133 ccw(c2.394,2.106) 5.184,2.106 ccw(c2.117,2.106) 4.285,4.274 ; 46.013,58.525 ccw(c48.887,58.525) 46.855,56.492 ccw(c49.023,58.66) 49.023,55.594 ; 46.013,58.586 cw(c49.079,58.586) 46.911,60.754 cw(c48.883,58.782) 48.883,61.571 50.504,61.571 ; 46.191,4.272 ccw(c48.223,2.239) 45.349,2.239 ccw(c48.415,2.239) 46.247,0.071 47.305,-0.987 ; 46.234,4.316 cw(c48.402,2.148) 48.402,5.214 cw(c48.402,2.425) 50.374,4.397 51.521,3.251 ; 48.974,55.576 50.47,55.576
Drill Drawing:
  circle w0.254: c62.161,-21.558 r0.46
  lines w0.254: 60.84,-30.918 103.402,-30.918 ; 60.84,-16.429 103.402,-16.429 ; 66.159,-32.988 66.159,-14.359 ; 71.029,-32.988 71.029,-14.359 ; 80.586,-32.988 80.586,-14.359 ; 84.712,-32.988 84.712,-14.359 ; 90.717,-32.988 90.717,-14.359 ; 60.84,-32.988 103.402,-32.988 103.402,-14.359 60.84,-14.359 60.84,-32.988 ; 61.701,-30.067 61.931,-30.067 61.931,-30.297 62.391,-30.297 62.391,-30.067 62.621,-30.067 62.621,-29.607 62.391,-29.607 62.391,-29.377 61.931,-29.377 61.931,-29.607 61.701,-29.607 61.701,-30.067 ; 61.701,-27.307 62.621,-27.307 62.161,-28.227 61.701,-27.307 ; 61.701,-26.157 62.161,-25.927 62.621,-26.157 62.391,-25.697 62.621,-25.237 62.161,-25.467 61.701,-25.237 61.931,-25.697 61.701,-26.157 ; 61.701,-23.857 61.931,-23.857 62.161,-24.087 62.391,-23.857 62.621,-23.857 62.391,-23.627 62.621,-23.397 62.391,-23.397 62.161,-23.168 61.931,-23.397 61.701,-23.397 61.931,-23.627 61.701,-23.857 ; 61.701,-19.948 62.621,-19.948 62.621,-19.028 61.701,-19.028 61.701,-19.948 ; 61.701,-17.878 62.621,-17.878 62.621,-16.958 61.701,-16.958 61.701,-17.878 ; 61.885,-17.694 62.437,-17.694 62.437,-17.142 61.885,-17.142 61.885,-17.694
  text "Symbol" at 62.082,-15.808 h1.2
  text "Count" at 66.78,-15.808 h1.2
  text "Hole Size" at 71.65,-15.808 h1.2
  text "Plated" at 81.207,-15.808 h1.2
  text "Hole Type" at 85.333,-15.808 h1.2
  text "Drill Layer Pair" at 91.338,-15.808 h1.2
  text "824" at 66.78,-17.878 h1
  text "8,00mil (0,203mm)" at 71.65,-17.878 h1
  text "PTH" at 81.207,-17.878 h1
  text "Round" at 85.333,-17.878 h1
  text "Top Copper - Bottom Layer" at 91.338,-17.878 h1
  text "2" at 66.78,-19.948 h1
  text "23,62mil (0,600mm)" at 71.65,-19.948 h1
  text "PTH" at 81.207,-19.948 h1
  text "Slot" at 85.333,-19.948 h1
  text "Top Copper - Bottom Layer" at 91.338,-19.948 h1
  text "2" at 66.78,-22.018 h1
  text "23,62mil (0,600mm)" at 71.65,-22.018 h1
  text "PTH" at 81.207,-22.018 h1
  text "Slot" at 85.333,-22.018 h1
  text "Top Copper - Bottom Layer" at 91.338,-22.018 h1
  text "2" at 66.78,-24.087 h1
  text "41,34mil (1,050mm)" at 71.65,-24.087 h1
  text "PTH" at 81.207,-24.087 h1
  text "Slot" at 85.333,-24.087 h1
  text "Top Copper - Bottom Layer" at 91.338,-24.087 h1
  text "1" at 66.78,-26.157 h1
  text "41,34mil (1,050mm)" at 71.65,-26.157 h1
  text "PTH" at 81.207,-26.157 h1
  text "Slot" at 85.333,-26.157 h1
  text "Top Copper - Bottom Layer" at 91.338,-26.157 h1
  text "1" at 66.78,-28.227 h1
  text "70,87mil (1,800mm)" at 71.65,-28.227 h1
  text "NPTH" at 81.207,-28.227 h1
  text "Round" at 85.333,-28.227 h1
  text "Top Copper - Bottom Layer" at 91.338,-28.227 h1
  text "4" at 66.78,-30.297 h1
  text "118,11mil (3,000mm)" at 71.65,-30.297 h1
  text "PTH" at 81.207,-30.297 h1
  text "Round" at 85.333,-30.297 h1
  text "Top Copper - Bottom Layer" at 91.338,-30.297 h1
  text "836 Total" at 66.78,-32.367 h1
  text "Slot definitions :" at 62.082,-33.816 h1
  text "Routed Path Length" at 68.893,-33.816 h1
  text "= Calculated from tool start centre position to tool end centre position." at 77.334,-33.816 h1
  text "Hole Length" at 68.893,-34.644 h1
  text "= Routed Path Length + Tool Size = Slot length as defined in the PCB layout" at 74.201,-34.644 h1

## Text inside footprints (layer, text, board x,y; h text height)
BT1: Top Overlay "+" at 16.9,2.8 h1.78
J1: Bottom Overlay "1" at 12.835,40.08 h1.52 r270; Bottom Overlay "26" at 12.785,55.18 h1.52 r270
J2: Bottom Overlay "1" at 6.937,62.45 h1.52 r180; Bottom Overlay "26" at 22.037,62.5 h1.52 r180
J3: Bottom Overlay "1" at 12.835,19.595 h1.52 r270; Bottom Overlay "26" at 12.785,34.695 h1.52 r270
J4: Bottom Overlay "1" at 37.061,56.28 h1.52 r90; Bottom Overlay "26" at 37.111,41.18 h1.52 r90
J5: Bottom Overlay "1" at 37.061,35.795 h1.52 r90; Bottom Overlay "26" at 37.111,20.695 h1.52 r90
J6: Bottom Overlay "26" at 42.5,62.5 h1.52 r180; Bottom Overlay "1" at 27.4,62.45 h1.52 r180
J8: Bottom Overlay "10" at 7.992,13.794 h1 r270; Bottom Overlay "1" at 7.992,7.963 h1 r270; Assembly Notes "Top contact ffc" at 3.392,8.344 h1 r270
J10: Top Assembly "CONNECTOR A" at 5.984,34.031 h1.52 r90
J11: Top Assembly "OAK-SoM-MAX Module / <1mm clearance" at 25,37.931 h2 r270; Top Assembly "CONNECTOR B" at 43.874,30 h1.52 r90
J12: Top Overlay "1" at 42.379,67.438 h1 r180; Top Overlay "9" at 35.242,67.409 h1 r180
J13: Top Assembly "CONNECTOR C" at 19.29,57.083 h1.52
J14: Top Overlay "1" at 9.2,60.668 h1; Top Overlay "9" at 16.337,60.697 h1
J15: Top Overlay "5V" at 4,7.6 h3 r270
U8: Assembly Notes "Based on 0.125 thick stencil" at 35.3,15.395 h0.5